# KiCad board AFS-K5171.kicad_pcb
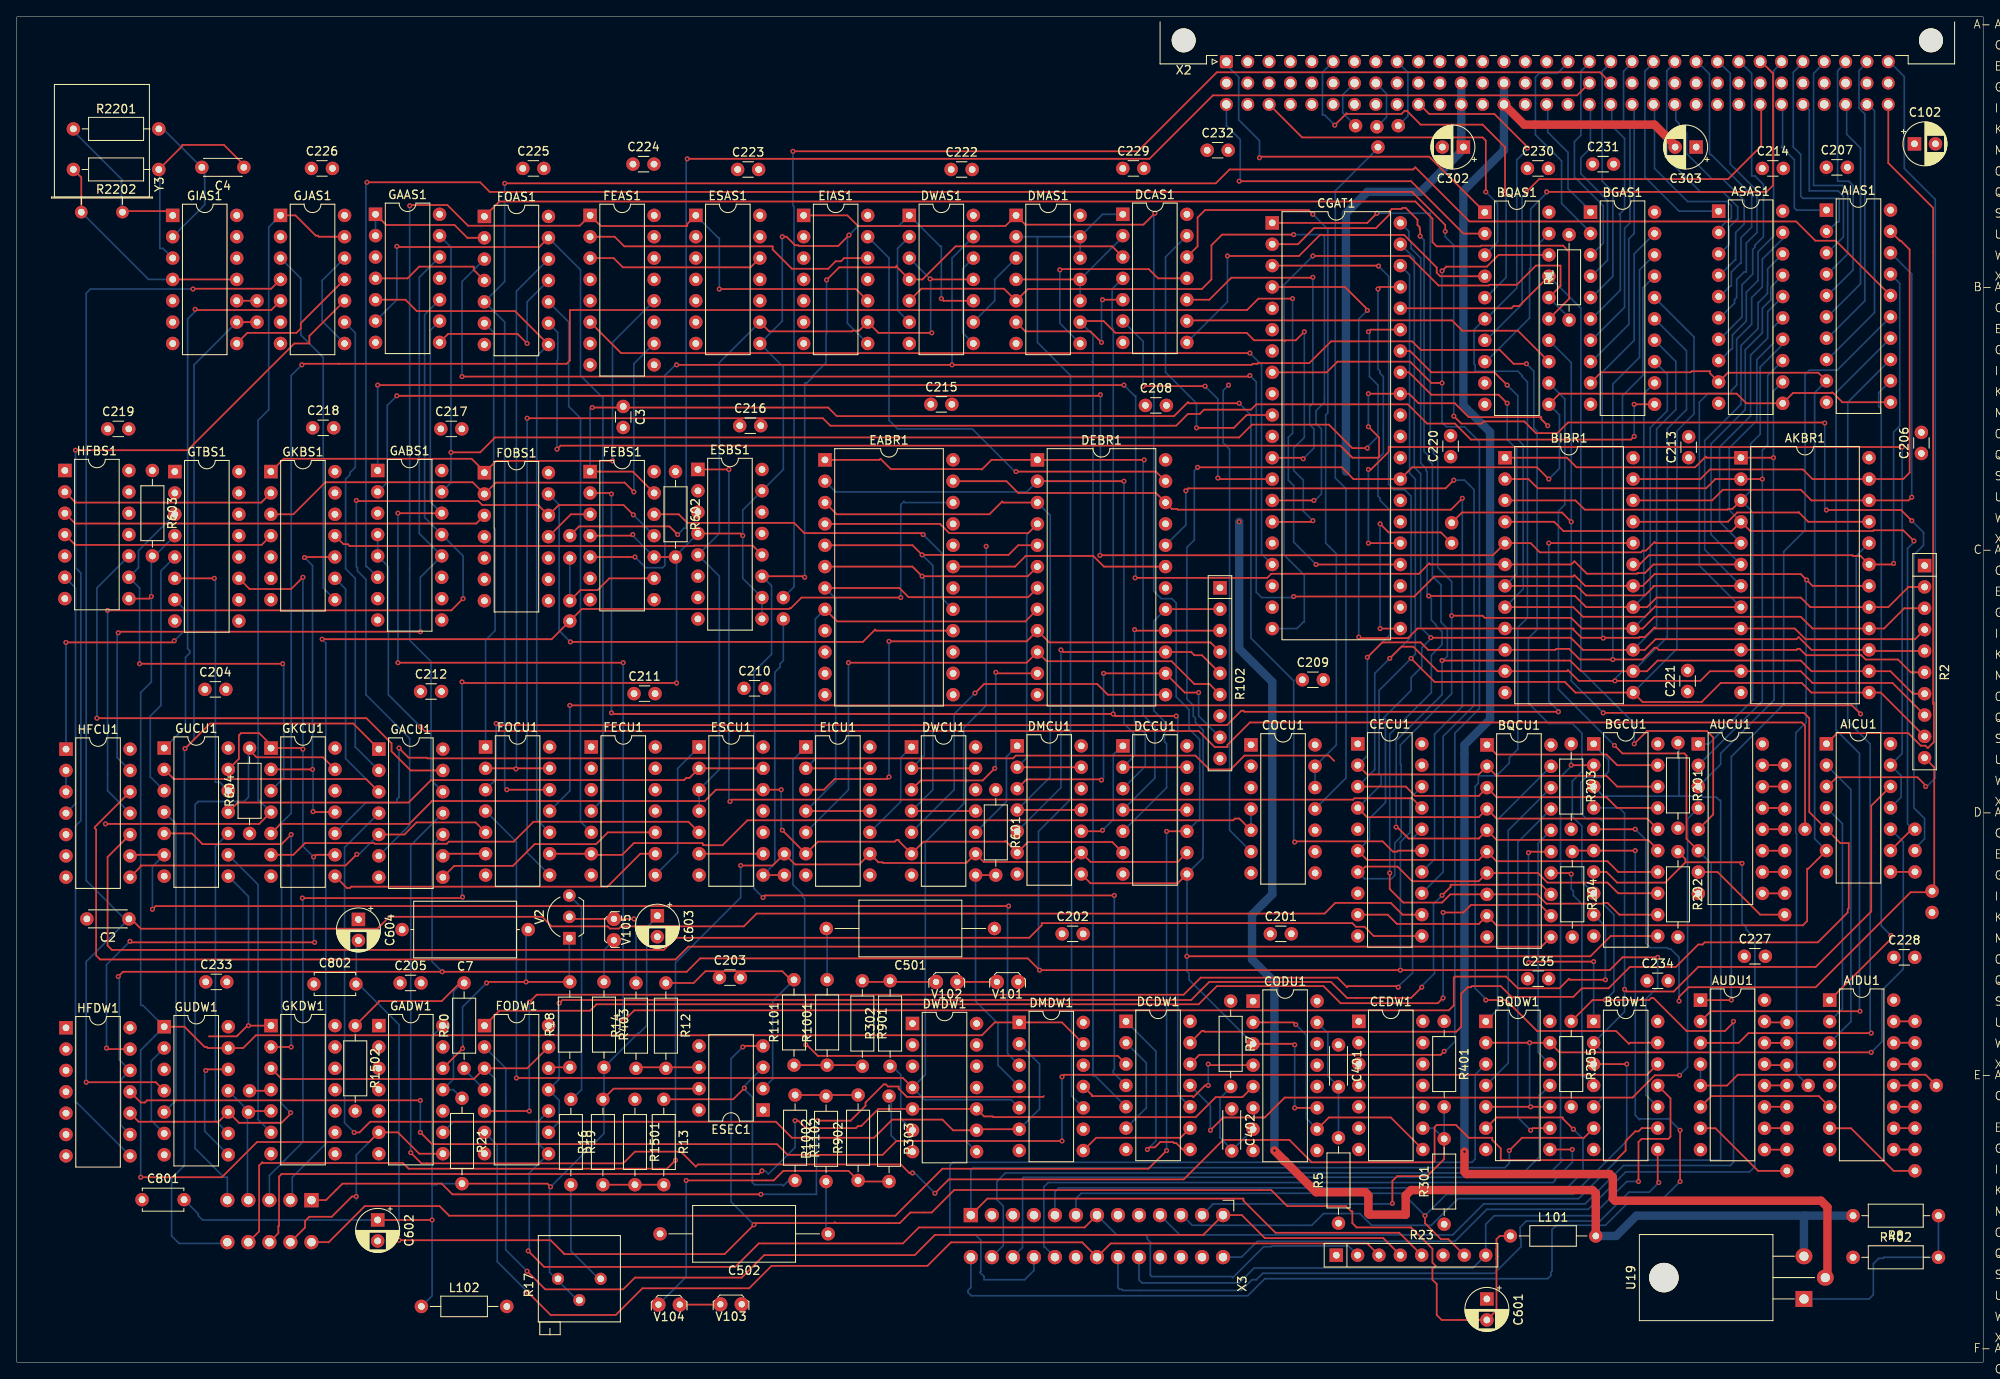
[diagram p0: board, top side]
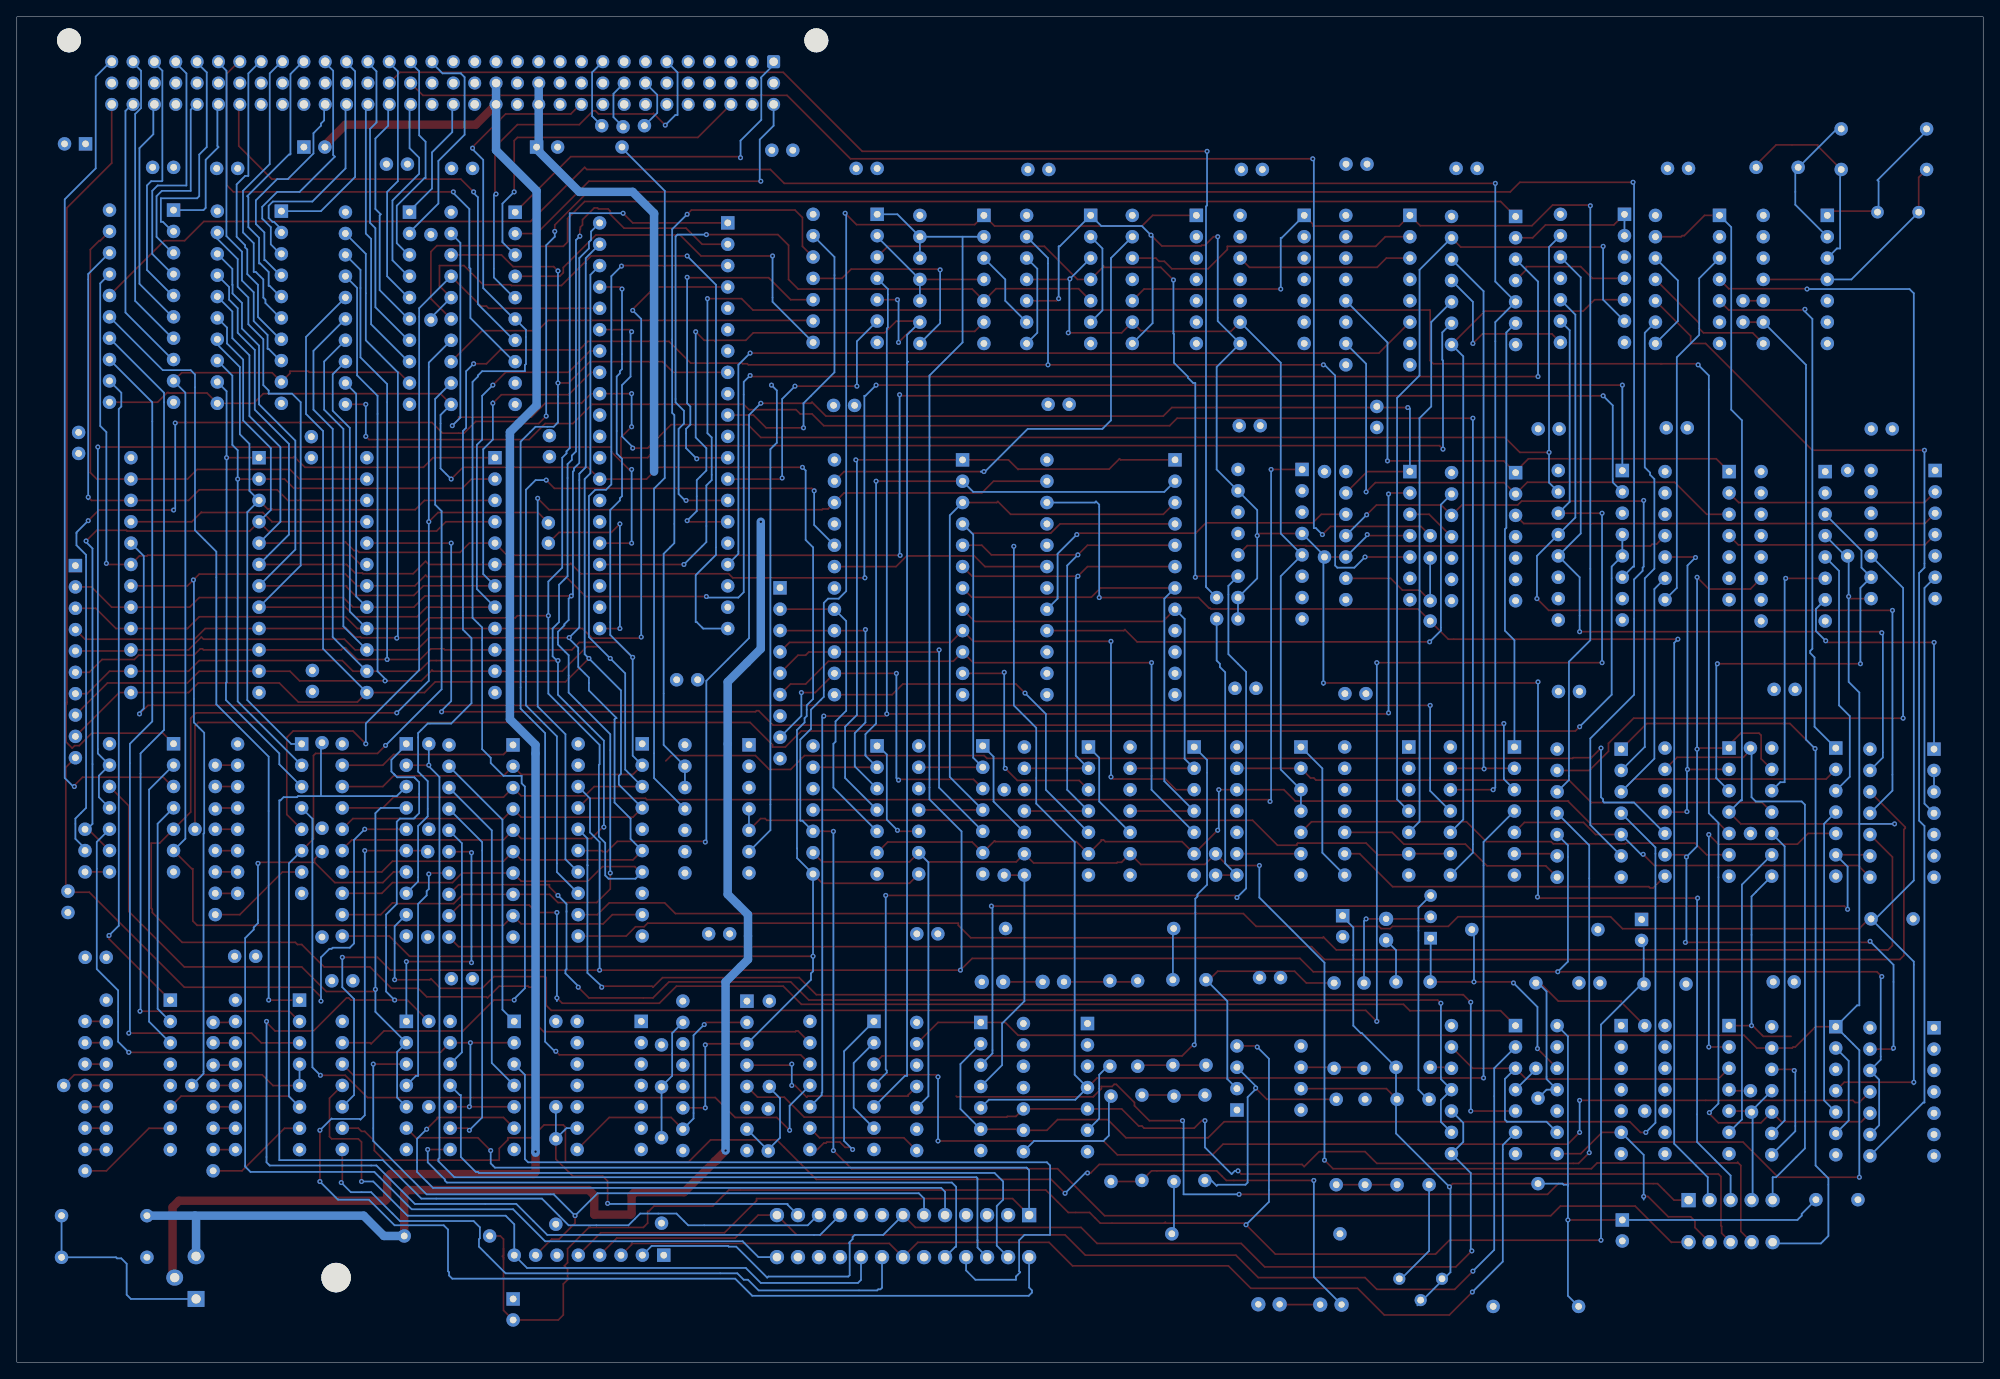
[diagram p1: board, bottom side, seen from below]

Outline 233.92 x 160.05 mm; copper layers: Top, In1.Cu, In2.Cu, Bottom. Coordinates in mm from the lower left corner of the outline.
Outline path: rectangle 0,160.05 233.92,0
Stack: Top 0.035mm / dielectric 0.1mm FR4 er 4.5 / In1.Cu 0.035mm / dielectric 1.24mm FR4 er 4.5 / In2.Cu 0.035mm / dielectric 0.1mm FR4 er 4.5 / Bottom 0.035mm

## Placement (name value [footprint] x y rotation side)
AIAS1  ~  [DIP-20_W7.62mm]  215.27 137.06 0 top
AICU1  7404  [DIP-14_W7.62mm]  215.27 73.57 0 top
AIDU1  ~  [DIP-16_W7.62mm]  215.66 43.07 0 top
AKBR1  ~  [DIP-24_W15.24mm]  205.11 107.6 0 top
ASAS1  ~  [DIP-20_W7.62mm]  202.45 136.93 0 top
AUCU1  ~  [DIP-16_W7.62mm]  200.04 73.55 0 top
AUDU1  ~  [DIP-16_W7.62mm]  200.29 43.07 0 top
BGAS1  ~  [DIP-20_W7.62mm]  187.21 136.81 0 top
BGCU1  ~  [DIP-20_W7.62mm]  187.59 73.56 0 top
BGDW1  7438  [DIP-14_W7.62mm]  187.58 40.54 0 top
BIBR1  ~  [DIP-24_W15.24mm]  177.04 107.6 0 top
BQAS1  ~  [DIP-20_W7.62mm]  174.63 136.8 0 top
BQCU1  ~  [DIP-20_W7.62mm]  174.89 73.43 0 top
BQDW1  7438  [DIP-14_W7.62mm]  174.75 40.54 0 top
C2  C  [C_Disc_D4.3mm_W1.9mm_P5.00mm]  13.34 52.74 180 top
C3  C  [C_Disc_D3.0mm_W1.6mm_P2.50mm]  72.14 113.7 270 top
C4  C  [C_Disc_D4.3mm_W1.9mm_P5.00mm]  27.01 142.14 180 top
C7  C  [C_Axial_L12.0mm_D6.5mm_P15.00mm_Horizontal]  60.83 51.47 180 top
C102  C_Polarized  [CP_Radial_D5.0mm_P2.50mm]  225.74 144.94 0 top
C201  C  [C_Disc_D3.0mm_W1.6mm_P2.50mm]  149.12 50.96 0 top
C202  C  [C_Disc_D3.0mm_W1.6mm_P2.50mm]  124.35 50.96 0 top
C203  C  [C_Disc_D3.0mm_W1.6mm_P2.50mm]  83.59 45.75 0 top
C204  C  [C_Disc_D3.0mm_W1.6mm_P2.50mm]  22.37 80.04 0 top
C205  C  [C_Disc_D3.0mm_W1.6mm_P2.50mm]  45.59 45.12 0 top
C206  C  [C_Disc_D3.0mm_W1.6mm_P2.50mm]  226.57 108.11 90 top
C207  C  [C_Disc_D3.0mm_W1.6mm_P2.50mm]  215.26 142.14 0 top
C208  C  [C_Disc_D3.0mm_W1.6mm_P2.50mm]  134.26 113.82 0 top
C209  C  [C_Disc_D3.0mm_W1.6mm_P2.50mm]  152.93 81.18 0 top
C210  C  [C_Disc_D3.0mm_W1.6mm_P2.50mm]  86.51 80.17 0 top
C211  C  [C_Disc_D3.0mm_W1.6mm_P2.50mm]  73.43 79.53 0 top
C212  C  [C_Disc_D3.0mm_W1.6mm_P2.50mm]  48.03 79.79 0 top
C213  C  [C_Disc_D3.0mm_W1.6mm_P2.50mm]  198.88 107.6 90 top
C214  C  [C_Disc_D3.0mm_W1.6mm_P2.50mm]  207.64 142.02 0 top
C215  C  [C_Disc_D3.0mm_W1.6mm_P2.50mm]  108.73 113.95 0 top
C216  C  [C_Disc_D3.0mm_W1.6mm_P2.50mm]  86 111.41 0 top
C217  C  [C_Disc_D3.0mm_W1.6mm_P2.50mm]  50.44 111.03 0 top
C218  C  [C_Disc_D3.0mm_W1.6mm_P2.50mm]  35.2 111.16 0 top
C219  C  [C_Disc_D3.0mm_W1.6mm_P2.50mm]  10.82 111.03 0 top
C220  C  [C_Disc_D3.0mm_W1.6mm_P2.50mm]  170.56 107.73 90 top
C221  C  [C_Disc_D3.0mm_W1.6mm_P2.50mm]  198.75 79.79 90 top
C222  C  [C_Disc_D3.0mm_W1.6mm_P2.50mm]  111.14 141.89 0 top
C223  C  [C_Disc_D3.0mm_W1.6mm_P2.50mm]  85.74 141.89 0 top
C224  C  [C_Disc_D3.0mm_W1.6mm_P2.50mm]  73.3 142.52 0 top
C225  C  [C_Disc_D3.0mm_W1.6mm_P2.50mm]  60.2 142.02 0 top
C226  C  [C_Disc_D3.0mm_W1.6mm_P2.50mm]  35.05 142.02 0 top
C227  C  [C_Disc_D3.0mm_W1.6mm_P2.50mm]  205.51 48.29 0 top
C228  C  [C_Disc_D3.0mm_W1.6mm_P2.50mm]  223.29 48.16 0 top
C229  C  [C_Disc_D3.0mm_W1.6mm_P2.50mm]  131.57 142.02 0 top
C230  C  [C_Disc_D3.0mm_W1.6mm_P2.50mm]  179.7 142.02 0 top
C231  C  [C_Disc_D3.0mm_W1.6mm_P2.50mm]  187.45 142.52 0 top
C232  C  [C_Disc_D3.0mm_W1.6mm_P2.50mm]  141.61 144.18 0 top
C233  C  [C_Disc_D3.0mm_W1.6mm_P2.50mm]  22.48 45.24 0 top
C234  C  [C_Disc_D3.0mm_W1.6mm_P2.50mm]  193.95 45.37 0 top
C235  C  [C_Disc_D3.0mm_W1.6mm_P2.50mm]  179.73 45.62 0 top
C302  C_Polarized  [CP_Radial_D5.0mm_P2.50mm]  172.08 144.56 180 top
C303  C_Polarized  [CP_Radial_D5.0mm_P2.50mm]  199.77 144.56 180 top
C401  C  [C_Disc_D4.3mm_W1.9mm_P5.00mm]  157.23 37.75 270 top
C402  C  [C_Disc_D4.3mm_W1.9mm_P5.00mm]  144.53 30.13 270 top
C501  C  [C_Axial_L12.0mm_D6.5mm_P20.00mm_Horizontal]  116.3 51.59 180 top
C502  C  [C_Axial_L12.0mm_D6.5mm_P20.00mm_Horizontal]  96.52 15.27 180 top
C601  C_Polarized  [CP_Radial_D5.0mm_P2.50mm]  174.88 7.52 270 top
C602  C_Polarized  [CP_Radial_D5.0mm_P2.50mm]  42.93 16.92 270 top
C603  C_Polarized  [CP_Radial_D5.0mm_P2.50mm]  76.2 53.12 270 top
C604  C_Polarized  [CP_Radial_D5.0mm_P2.50mm]  40.64 52.67 270 top
C801  C  [C_Disc_D4.7mm_W2.5mm_P5.00mm]  14.9 19.33 0 top
C802  C  [C_Disc_D4.7mm_W2.5mm_P5.00mm]  35.35 44.99 0 top
CECU1  ~  [DIP-20_W7.62mm]  159.52 73.56 0 top
CEDW1  7414  [DIP-14_W7.62mm]  159.64 40.54 0 top
CGAT1  ~  [DIP-40_W15.24mm]  149.35 135.53 0 top
COCU1  7438  [DIP-14_W7.62mm]  146.82 73.44 0 top
CODU1  74123  [DIP-16_W7.62mm]  147.07 42.96 0 top
DCAS1  7404  [DIP-14_W7.62mm]  131.57 136.56 0 top
DCCU1  ~  [DIP-14_W7.62mm]  131.58 73.31 0 top
DCDW1  7400  [DIP-14_W7.62mm]  131.95 40.54 0 top
DEBR1  ~  [DIP-24_W15.24mm]  121.41 107.35 0 top
DMAS1  7451  [DIP-14_W7.62mm]  118.87 136.43 0 top
DMCU1  ~  [DIP-14_W7.62mm]  119.01 73.31 0 top
DMDW1  7474  [DIP-14_W7.62mm]  119.25 40.42 0 top
DWAS1  7474  [DIP-14_W7.62mm]  106.17 136.43 0 top
DWCU1  ~  [DIP-14_W7.62mm]  106.44 73.19 0 top
DWDW1  7400  [DIP-14_W7.62mm]  106.55 40.29 0 top
EABR1  ~  [DIP-24_W15.24mm]  96.14 107.35 0 top
EIAS1  ~  [DIP-14_W7.62mm]  93.6 136.43 0 top
EICU1  ~  [DIP-14_W7.62mm]  93.86 73.19 0 top
ESAS1  ~  [DIP-14_W7.62mm]  80.77 136.43 0 top
ESBS1  ~  [DIP-16_W7.62mm]  81.03 106.2 0 top
ESCU1  7400  [DIP-14_W7.62mm]  81.16 73.19 0 top
ESEC1  LM741  [DIP-8_W7.62mm]  88.77 30 180 top
FEAS1  ~  [DIP-16_W7.62mm]  68.2 136.43 0 top
FEBS1  7474  [DIP-14_W7.62mm]  68.2 105.95 0 top
FECU1  7400  [DIP-14_W7.62mm]  68.34 73.19 0 top
FOAS1  7404  [DIP-14_W7.62mm]  55.63 136.3 0 top
FOBS1  7408  [DIP-14_W7.62mm]  55.63 105.82 0 top
FOCU1  7400  [DIP-14_W7.62mm]  55.76 73.19 0 top
FODW1  7406  [DIP-14_W7.62mm]  55.64 40.04 0 top
GAAS1  7420  [DIP-14_W7.62mm]  42.67 136.56 0 top
GABS1  ~  [DIP-16_W7.62mm]  42.93 106.08 0 top
GACU1  7408  [DIP-14_W7.62mm]  43.06 72.93 0 top
GADW1  ~  [DIP-14_W7.62mm]  43.06 40.04 0 top
GIAS1  7404  [DIP-14_W7.62mm]  18.54 136.43 0 top
GJAS1  7474  [DIP-14_W7.62mm]  31.37 136.43 0 top
GKBS1  7404  [DIP-14_W7.62mm]  30.23 105.95 0 top
GKCU1  7474  [DIP-14_W7.62mm]  30.24 73.06 0 top
GKDW1  7404  [DIP-14_W7.62mm]  30.24 40.04 0 top
GTBS1  ~  [DIP-16_W7.62mm]  18.8 105.95 0 top
GUCU1  7400  [DIP-14_W7.62mm]  17.54 73.06 0 top
GUDW1  7474  [DIP-14_W7.62mm]  17.54 39.91 0 top
HFBS1  ~  [DIP-14_W7.62mm]  5.72 106.08 0 top
HFCU1  7404  [DIP-14_W7.62mm]  5.85 72.93 0 top
HFDW1  7408  [DIP-14_W7.62mm]  5.85 39.79 0 top
L101  L  [L_Axial_L5.3mm_D2.2mm_P10.16mm_Horizontal_Vishay_IM-1]  177.67 15.02 0 top
L102  L  [L_Axial_L5.3mm_D2.2mm_P10.16mm_Horizontal_Vishay_IM-1]  48.13 6.63 0 top
R1  R  [R_Axial_DIN0207_L6.3mm_D2.5mm_P10.16mm_Horizontal]  184.66 123.98 90 top
R2  AFCB  [R_Array_SIP10]  226.95 94.77 270 top
R5  R  [R_Axial_DIN0207_L6.3mm_D2.5mm_P10.16mm_Horizontal]  157.23 16.54 90 top
R7  R  [R_Axial_DIN0207_L6.3mm_D2.5mm_P10.16mm_Horizontal]  144.4 42.96 270 top
R8  R  [R_Axial_DIN0207_L6.3mm_D2.5mm_P10.16mm_Horizontal]  228.6 17.43 180 top
R12  R  [R_Axial_DIN0207_L6.3mm_D2.5mm_P10.16mm_Horizontal]  77.22 45.12 270 top
R13  R  [R_Axial_DIN0207_L6.3mm_D2.5mm_P10.16mm_Horizontal]  76.96 31.27 270 top
R14  R  [R_Axial_DIN0207_L6.3mm_D2.5mm_P10.16mm_Horizontal]  73.66 34.96 90 top
R16  R  [R_Axial_DIN0207_L6.3mm_D2.5mm_P10.16mm_Horizontal]  69.72 21.11 90 top
R17  R_Potentiometer_Trim  [Potentiometer_Bourns_3296P_Horizontal]  64.38 9.92 90 top
R18  R  [R_Axial_DIN0207_L6.3mm_D2.5mm_P10.16mm_Horizontal]  65.79 35.08 90 top
R19  R  [R_Axial_DIN0207_L6.3mm_D2.5mm_P10.16mm_Horizontal]  65.91 31.27 270 top
R20  R  [R_Axial_DIN0207_L6.3mm_D2.5mm_P10.16mm_Horizontal]  53.21 34.96 90 top
R21  R  [R_Axial_DIN0207_L6.3mm_D2.5mm_P10.16mm_Horizontal]  52.96 31.4 270 top
R23  R_Network07  [R_Array_SIP8]  156.96 12.73 0 top
R102  CXCD  [R_Array_SIP9]  143.13 92.12 270 top
R201  150  [R_Axial_DIN0207_L6.3mm_D2.5mm_P10.16mm_Horizontal]  197.61 73.69 270 top
R202  150  [R_Axial_DIN0207_L6.3mm_D2.5mm_P10.16mm_Horizontal]  197.61 60.74 270 top
R203  150  [R_Axial_DIN0207_L6.3mm_D2.5mm_P10.16mm_Horizontal]  184.91 73.56 270 top
R204  150  [R_Axial_DIN0207_L6.3mm_D2.5mm_P10.16mm_Horizontal]  185.04 60.74 270 top
R205  150  [R_Axial_DIN0207_L6.3mm_D2.5mm_P10.16mm_Horizontal]  184.91 40.54 270 top
R301  220  [R_Axial_DIN0207_L6.3mm_D2.5mm_P10.16mm_Horizontal]  169.8 16.41 90 top
R302  R  [R_Axial_DIN0207_L6.3mm_D2.5mm_P10.16mm_Horizontal]  103.89 35.21 90 top
R303  R  [R_Axial_DIN0207_L6.3mm_D2.5mm_P10.16mm_Horizontal]  103.76 31.65 270 top
R401  330  [R_Axial_DIN0207_L6.3mm_D2.5mm_P10.16mm_Horizontal]  169.8 40.54 270 top
R402  R  [R_Axial_DIN0207_L6.3mm_D2.5mm_P10.16mm_Horizontal]  218.44 12.48 0 top
R403  R  [R_Axial_DIN0207_L6.3mm_D2.5mm_P10.16mm_Horizontal]  69.85 45.24 270 top
R601  R  [R_Axial_DIN0207_L6.3mm_D2.5mm_P10.16mm_Horizontal]  116.46 68.1 270 top
R602  R  [R_Axial_DIN0207_L6.3mm_D2.5mm_P10.16mm_Horizontal]  78.36 105.95 270 top
R603  R  [R_Axial_DIN0207_L6.3mm_D2.5mm_P10.16mm_Horizontal]  16.13 106.08 270 top
R604  R  [R_Axial_DIN0207_L6.3mm_D2.5mm_P10.16mm_Horizontal]  27.69 62.9 90 top
R901  R  [R_Axial_DIN0207_L6.3mm_D2.5mm_P10.16mm_Horizontal]  100.58 45.37 270 top
R902  R  [R_Axial_DIN0207_L6.3mm_D2.5mm_P10.16mm_Horizontal]  100.08 21.62 90 top
R1001  R  [R_Axial_DIN0207_L6.3mm_D2.5mm_P10.16mm_Horizontal]  96.39 35.34 90 top
R1002  R  [R_Axial_DIN0207_L6.3mm_D2.5mm_P10.16mm_Horizontal]  96.27 21.49 90 top
R1101  R  [R_Axial_DIN0207_L6.3mm_D2.5mm_P10.16mm_Horizontal]  92.46 35.34 90 top
R1102  R  [R_Axial_DIN0207_L6.3mm_D2.5mm_P10.16mm_Horizontal]  92.58 31.78 270 top
R1501  R  [R_Axial_DIN0207_L6.3mm_D2.5mm_P10.16mm_Horizontal]  73.53 31.27 270 top
R1502  R  [R_Axial_DIN0207_L6.3mm_D2.5mm_P10.16mm_Horizontal]  40.26 40.04 270 top
R2201  R  [R_Axial_DIN0207_L6.3mm_D2.5mm_P10.16mm_Horizontal]  6.73 146.72 0 top
R2202  R  [R_Axial_DIN0207_L6.3mm_D2.5mm_P10.16mm_Horizontal]  16.89 141.89 180 top
U19  LM337  [TO-220-3_Horizontal_TabDown]  212.6 7.52 90 top
V2  PNP  [TO-92L_Inline_Wide]  65.73 50.44 90 top
V101  D  [TO-92Flat]  119.13 45.24 180 top
V102  D  [TO-92Flat]  111.89 45.24 180 top
V103  D  [TO-92Flat]  86.23 6.89 180 top
V104  D  [TO-92Flat]  78.87 6.85 180 top
V105  D  [TO-92Flat]  71.03 52.74 270 top
X2  DIN41612_03x32_ABC  [DIN41612_C_3x32_Male_Horizontal_THT]  143.89 154.71 0 top
X3  Conn_02x13_Row_Letter_First  [PinHeader_2x13_P2.54mm_Horizontal]  143.5 15 270 top
X4  Conn_02x05_Row_Letter_First  [PinHeader_2x05_P2.54mm_Horizontal]  35.05 16.78 270 top
X7-1  ~  [Pin_D1.0mm_L10.0mm]  225.81 40.55 0 top
X7-2  ~  [Pin_D1.0mm_L10.0mm]  225.81 38 0 top
X7-3  ~  [Pin_D1.0mm_L10.0mm]  225.81 35.46 0 top
X7-4  ~  [Pin_D1.0mm_L10.0mm]  225.81 32.92 0 top
X7-5  ~  [Pin_D1.0mm_L10.0mm]  225.81 30.38 0 top
X7-6  ~  [Pin_D1.0mm_L10.0mm]  225.81 27.84 0 top
X7-7  ~  [Pin_D1.0mm_L10.0mm]  225.81 25.3 0 top
X7-8  ~  [Pin_D1.0mm_L10.0mm]  225.81 22.76 0 top
X7-9  ~  [Pin_D1.0mm_L10.0mm]  228.35 32.92 0 top
X8-1  ~  [Pin_D1.0mm_L10.0mm]  210.31 71.02 0 top
X8-2  ~  [Pin_D1.0mm_L10.0mm]  210.31 68.48 0 top
X8-3  ~  [Pin_D1.0mm_L10.0mm]  210.31 65.82 0 top
X8-4  ~  [Pin_D1.0mm_L10.0mm]  210.31 63.4 0 top
X8-5  ~  [Pin_D1.0mm_L10.0mm]  210.31 60.86 0 top
X8-6  ~  [Pin_D1.0mm_L10.0mm]  210.31 58.32 0 top
X8-7  ~  [Pin_D1.0mm_L10.0mm]  210.31 55.78 0 top
X8-8  ~  [Pin_D1.0mm_L10.0mm]  210.31 53.24 0 top
X8-9  ~  [Pin_D1.0mm_L10.0mm]  212.72 63.4 0 top
X9-1  ~  [Pin_D1.0mm_L10.0mm]  210.57 40.42 0 top
X9-2  ~  [Pin_D1.0mm_L10.0mm]  210.57 38 0 top
X9-3  ~  [Pin_D1.0mm_L10.0mm]  210.57 35.34 0 top
X9-4  ~  [Pin_D1.0mm_L10.0mm]  210.57 32.92 0 top
X9-5  ~  [Pin_D1.0mm_L10.0mm]  210.57 30.38 0 top
X9-6  ~  [Pin_D1.0mm_L10.0mm]  210.57 27.84 0 top
X9-7  ~  [Pin_D1.0mm_L10.0mm]  210.57 25.3 0 top
X9-8  ~  [Pin_D1.0mm_L10.0mm]  210.57 22.76 0 top
X9-9  ~  [Pin_D1.0mm_L10.0mm]  213.11 32.92 0 top
X10-1  ~  [Pin_D1.0mm_L10.0mm]  225.81 63.4 0 top
X10-2  ~  [Pin_D1.0mm_L10.0mm]  225.81 60.86 0 top
X10-3  ~  [Pin_D1.0mm_L10.0mm]  225.81 58.32 0 top
X10-4  ~  [Pin_D1.0mm_L10.0mm]  170.69 99.85 0 top
X10-5  ~  [Pin_D1.0mm_L10.0mm]  170.69 97.44 0 top
X10-6  Conn_01x01  [Pin_D1.0mm_L10.0mm]  164.34 147.1 0 top
X10-7  Conn_01x01  [Pin_D1.0mm_L10.0mm]  161.8 146.97 0 top
X10-8  ~  [Pin_D1.0mm_L10.0mm]  161.93 144.56 0 top
X10-9  Conn_01x01  [Pin_D1.0mm_L10.0mm]  159.26 147.1 0 top
X10-10  ~  [Pin_D1.0mm_L10.0mm]  91.19 90.96 0 top
X10-11  ~  [Pin_D1.0mm_L10.0mm]  91.19 88.42 0 top
X10-12  ~  [Pin_D1.0mm_L10.0mm]  91.31 60.48 0 top
X10-13  ~  [Pin_D1.0mm_L10.0mm]  91.31 57.94 0 top
X10-14  ~  [Pin_D1.0mm_L10.0mm]  65.79 98.33 0 top
X10-15  ~  [Pin_D1.0mm_L10.0mm]  65.79 95.66 0 top
X10-16  ~  [Pin_D1.0mm_L10.0mm]  65.79 90.58 0 top
X10-17  ~  [Pin_D1.0mm_L10.0mm]  65.79 88.17 0 top
X10-18  ~  [Pin_D1.0mm_L10.0mm]  28.58 126.27 0 top
X10-19  ~  [Pin_D1.0mm_L10.0mm]  28.58 123.73 0 top
X10-20  ~  [Pin_D1.0mm_L10.0mm]  27.69 32.29 0 top
X10-21  ~  [Pin_D1.0mm_L10.0mm]  27.56 29.75 0 top
X10-22  ~  [Pin_D1.0mm_L10.0mm]  227.84 56.04 90 top
X10-23  ~  [Pin_D1.0mm_L10.0mm]  227.84 53.5 90 top
Y3  Crystal  [Crystal_HC49-U_Horizontal]  12.57 136.81 180 top

## Library data of the parts
C2-C4 C7 C201-C235 C401 C402 C501 C502 C801 C802 = -: Description: Unpolarized capacitor; ki_fp_filters: C_*
C102 C302 C303 C601-C604 = -: Description: Polarized capacitor; ki_fp_filters: CP_*
ESEC1 = -: Datasheet: http://www.ti.com/lit/ds/symlink/lm741.pdf; Description: Operational Amplifier, DIP-8/TO-99-8; ki_fp_filters: SOIC*3.9x4.9mm*P1.27mm* DIP*W7.62mm* TSSOP*3x3mm*P0.65mm*
L101 L102 = -: Description: Inductor; ki_fp_filters: Choke_* *Coil* Inductor_* L_*
R1 R5 R7 R8 R12-R14 R16 R18-R21 R201-R205 R301-R303 R401-R403 R601-R604 R901 R902 R1001 R1002 R1101 R1102 R1501 R1502 R2201 R2202 = -: Description: Resistor; ki_fp_filters: R_*
R2 = -: Datasheet: http://www.vishay.com/docs/31509/csc.pdf; Description: 9 resistor network, star topology, bussed resistors, small symbol; ki_fp_filters: R?Array?SIP*
R17 = -: Description: Trim-potentiometer; ki_fp_filters: Potentiometer*
R23 = -: Datasheet: http://www.vishay.com/docs/31509/csc.pdf; Description: 7 resistor network, star topology, bussed resistors, small symbol; ki_fp_filters: R?Array?SIP*
R102 = -: Datasheet: http://www.vishay.com/docs/31509/csc.pdf; Description: 8 resistor network, star topology, bussed resistors, small symbol; ki_fp_filters: R?Array?SIP*
U19 = -: Datasheet: http://www.ti.com/lit/ds/symlink/lm337l.pdf; Description: Negative 100mA 35V Adjustable Linear Regulator, TO-92; ki_fp_filters: TO?92*
V2 = -: Datasheet: https://ngspice.sourceforge.io/docs/ngspice-html-manual/manual.xhtml#cha_BJTs; Description: Bipolar transistor symbol for simulation only, substrate tied to the emitter; Sim.Type: GUMMELPOON; Sim.Pins: 1=C 2=B 3=E
V101-V105 = -: Description: Diode; Sim.Pins: 1=K 2=A; ki_fp_filters: TO-???* *_Diode_* *SingleDiode* D_*
X2 = -: Description: DIN41612 connector, double row (AB), 02x32, script generated (kicad-library-utils/schlib/autogen/connector/); ki_fp_filters: DIN41612*2x*
X3 = -: Description: Generic connector, double row, 02x13, row letter first pin numbering scheme (pin number consists of a letter for the row and a number for the pin index in this row. a1, ..., aN; b1, ..., bN), script generated (kicad-library-utils/schlib/autogen/connector/); ki_fp_filters: Connector*:*_2x??_*
X4 = -: Description: Generic connector, double row, 02x05, row letter first pin numbering scheme (pin number consists of a letter for the row and a number for the pin index in this row. a1, ..., aN; b1, ..., bN), script generated (kicad-library-utils/schlib/autogen/connector/); ki_fp_filters: Connector*:*_2x??_*
X7-1-X7-9 X8-1-X8-9 X9-1-X9-9 X10-1-X10-23 = -: Description: Generic connector, single row, 01x01, script generated (kicad-library-utils/schlib/autogen/connector/); ki_fp_filters: Connector*:*_1x??_*
Y3 = -: Description: Two pin crystal; ki_fp_filters: Crystal*

## Footprints (pads in the part's own frame, mm; a bottom-side part is the same pattern mirrored in y, then rotated)
C_Axial_L12.0mm_D6.5mm_P15.00mm_Horizontal
  round 1.6 hole 0.8: 1(0,0)
  oval 1.6x1.6 hole 0.8: 2(15,0)
C_Axial_L12.0mm_D6.5mm_P20.00mm_Horizontal
  round 1.6 hole 0.8: 1(0,0)
  oval 1.6x1.6 hole 0.8: 2(20,0)
C_Disc_D3.0mm_W1.6mm_P2.50mm
  round 1.6 hole 0.8: 1(0,0) 2(2.5,0)
C_Disc_D4.3mm_W1.9mm_P5.00mm
  round 1.6 hole 0.8: 1(0,0) 2(5,0)
C_Disc_D4.7mm_W2.5mm_P5.00mm
  round 1.6 hole 0.8: 1(0,0) 2(5,0)
CP_Radial_D5.0mm_P2.50mm
  rect 1.6x1.6 hole 0.8: 1(0,0)
  round 1.6 hole 0.8: 2(2.5,0)
Crystal_HC49-U_Horizontal
  round 1.5 hole 0.8: 1(0,0) 2(4.9,0)
DIN41612_C_3x32_Male_Horizontal_THT
  round 2.85 hole 2.85 unplated: (-5.08,2.54) (83.82,2.54)
  rrect 1.55x1.55 hole 1: a1(0,0)
  round 1.55 hole 1: a2(2.54,0) a3(5.08,0) a4(7.62,0) a5(10.16,0) a6(12.7,0) a7(15.24,0) a8(17.78,0) a9(20.32,0) a10(22.86,0) a11(25.4,0) a12(27.94,0) a13(30.48,0) a14(33.02,0) a15(35.56,0) a16(38.1,0) a17(40.64,0) a18(43.18,0) a19(45.72,0) a20(48.26,0) a21(50.8,0) a22(53.34,0) a23(55.88,0) a24(58.42,0) a25(60.96,0) a26(63.5,0) a27(66.04,0) a28(68.58,0) a29(71.12,0) a30(73.66,0) a31(76.2,0) a32(78.74,0) b1(0,-2.54) b2(2.54,-2.54) b3(5.08,-2.54) b4(7.62,-2.54) b5(10.16,-2.54) b6(12.7,-2.54) b7(15.24,-2.54) b8(17.78,-2.54) b9(20.32,-2.54) b10(22.86,-2.54) b11(25.4,-2.54) b12(27.94,-2.54) b13(30.48,-2.54) b14(33.02,-2.54) b15(35.56,-2.54) b16(38.1,-2.54) b17(40.64,-2.54) b18(43.18,-2.54) b19(45.72,-2.54) b20(48.26,-2.54) b21(50.8,-2.54) b22(53.34,-2.54) b23(55.88,-2.54) b24(58.42,-2.54) b25(60.96,-2.54) b26(63.5,-2.54) b27(66.04,-2.54) b28(68.58,-2.54) b29(71.12,-2.54) b30(73.66,-2.54) b31(76.2,-2.54) b32(78.74,-2.54) c1(0,-5.08) c2(2.54,-5.08) c3(5.08,-5.08) c4(7.62,-5.08) c5(10.16,-5.08) c6(12.7,-5.08) c7(15.24,-5.08) c8(17.78,-5.08) c9(20.32,-5.08) c10(22.86,-5.08) c11(25.4,-5.08) c12(27.94,-5.08) c13(30.48,-5.08) c14(33.02,-5.08) c15(35.56,-5.08) c16(38.1,-5.08) c17(40.64,-5.08) c18(43.18,-5.08) c19(45.72,-5.08) c20(48.26,-5.08) c21(50.8,-5.08) c22(53.34,-5.08) c23(55.88,-5.08) c24(58.42,-5.08) c25(60.96,-5.08) c26(63.5,-5.08) c27(66.04,-5.08) c28(68.58,-5.08) c29(71.12,-5.08) c30(73.66,-5.08) c31(76.2,-5.08) c32(78.74,-5.08)
DIP-8_W7.62mm
  rect 1.6x1.6 hole 0.8: 1(0,0)
  oval 1.6x1.6 hole 0.8: 2(0,-2.54) 3(0,-5.08) 4(0,-7.62) 5(7.62,-7.62) 6(7.62,-5.08) 7(7.62,-2.54) 8(7.62,0)
DIP-14_W7.62mm
  rect 1.6x1.6 hole 0.8: 1(0,0)
  oval 1.6x1.6 hole 0.8: 2(0,-2.54) 3(0,-5.08) 4(0,-7.62) 5(0,-10.16) 6(0,-12.7) 7(0,-15.24) 8(7.62,-15.24) 9(7.62,-12.7) 10(7.62,-10.16) 11(7.62,-7.62) 12(7.62,-5.08) 13(7.62,-2.54) 14(7.62,0)
DIP-16_W7.62mm
  rect 1.6x1.6 hole 0.8: 1(0,0)
  oval 1.6x1.6 hole 0.8: 2(0,-2.54) 3(0,-5.08) 4(0,-7.62) 5(0,-10.16) 6(0,-12.7) 7(0,-15.24) 8(0,-17.78) 9(7.62,-17.78) 10(7.62,-15.24) 11(7.62,-12.7) 12(7.62,-10.16) 13(7.62,-7.62) 14(7.62,-5.08) 15(7.62,-2.54) 16(7.62,0)
DIP-20_W7.62mm
  rect 1.6x1.6 hole 0.8: 1(0,0)
  oval 1.6x1.6 hole 0.8: 2(0,-2.54) 3(0,-5.08) 4(0,-7.62) 5(0,-10.16) 6(0,-12.7) 7(0,-15.24) 8(0,-17.78) 9(0,-20.32) 10(0,-22.86) 11(7.62,-22.86) 12(7.62,-20.32) 13(7.62,-17.78) 14(7.62,-15.24) 15(7.62,-12.7) 16(7.62,-10.16) 17(7.62,-7.62) 18(7.62,-5.08) 19(7.62,-2.54) 20(7.62,0)
DIP-24_W15.24mm
  rect 1.6x1.6 hole 0.8: 1(0,0)
  oval 1.6x1.6 hole 0.8: 2(0,-2.54) 3(0,-5.08) 4(0,-7.62) 5(0,-10.16) 6(0,-12.7) 7(0,-15.24) 8(0,-17.78) 9(0,-20.32) 10(0,-22.86) 11(0,-25.4) 12(0,-27.94) 13(15.24,-27.94) 14(15.24,-25.4) 15(15.24,-22.86) 16(15.24,-20.32) 17(15.24,-17.78) 18(15.24,-15.24) 19(15.24,-12.7) 20(15.24,-10.16) 21(15.24,-7.62) 22(15.24,-5.08) 23(15.24,-2.54) 24(15.24,0)
DIP-40_W15.24mm
  rect 1.6x1.6 hole 0.8: 1(0,0)
  oval 1.6x1.6 hole 0.8: 2(0,-2.54) 3(0,-5.08) 4(0,-7.62) 5(0,-10.16) 6(0,-12.7) 7(0,-15.24) 8(0,-17.78) 9(0,-20.32) 10(0,-22.86) 11(0,-25.4) 12(0,-27.94) 13(0,-30.48) 14(0,-33.02) 15(0,-35.56) 16(0,-38.1) 17(0,-40.64) 18(0,-43.18) 19(0,-45.72) 20(0,-48.26) 21(15.24,-48.26) 22(15.24,-45.72) 23(15.24,-43.18) 24(15.24,-40.64) 25(15.24,-38.1) 26(15.24,-35.56) 27(15.24,-33.02) 28(15.24,-30.48) 29(15.24,-27.94) 30(15.24,-25.4) 31(15.24,-22.86) 32(15.24,-20.32) 33(15.24,-17.78) 34(15.24,-15.24) 35(15.24,-12.7) 36(15.24,-10.16) 37(15.24,-7.62) 38(15.24,-5.08) 39(15.24,-2.54) 40(15.24,0)
L_Axial_L5.3mm_D2.2mm_P10.16mm_Horizontal_Vishay_IM-1
  round 1.6 hole 0.8: 1(0,0)